# Altium PCB Graviton-EC2-Simplified.PcbDoc (part 4 of 9) (continued)
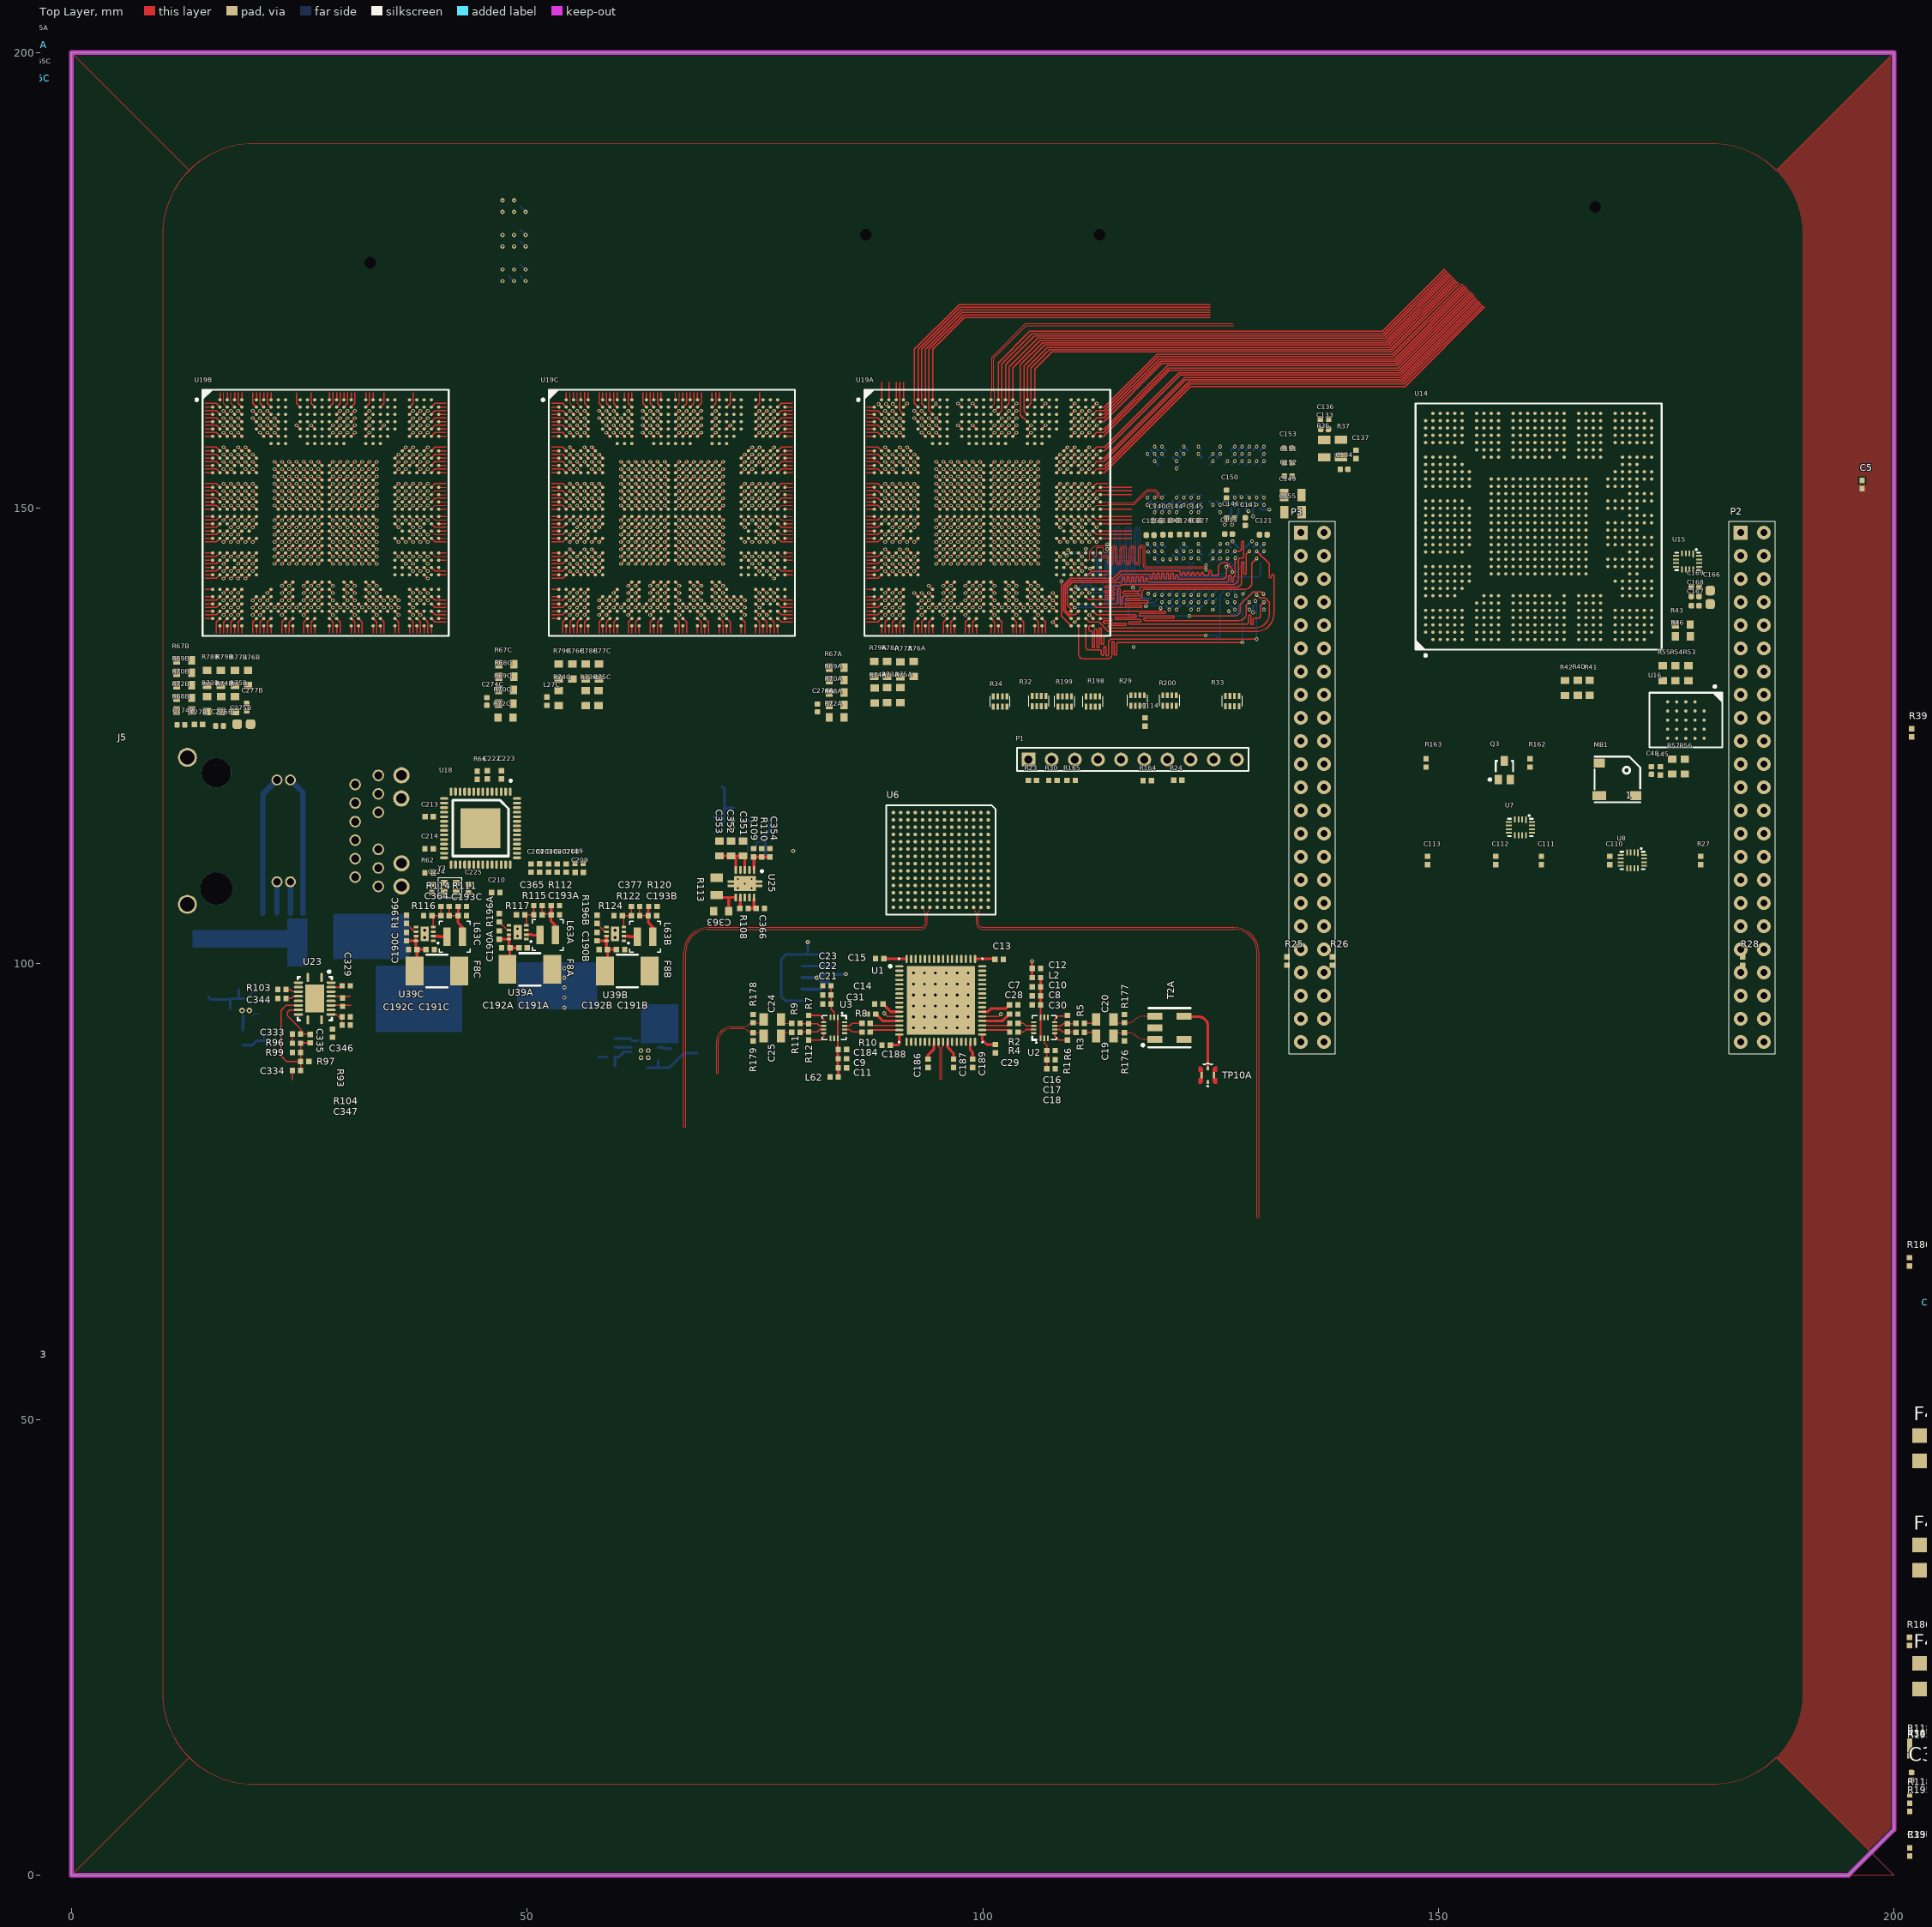
[diagram p0: Top Layer view]
## Nets (pads, with @x,y where several pads share a name; then routed paths per layer and width w, separated by ;. In a path a pad name is that pad's centre, name@x,y a point inside that pad or via, vN(x,y) a via of type N, cw(c..) or ccw(c..) an arc to the next point about the centre after c; other vN are vias at no path point) (continued)
  Top Layer w0.076: U19C.U32@78.3,149.1 79.115,149.1
DAC-LVDS.DAC-FRAME_P: U6.H2 U19C.T32 | length 0.8
  Top Layer w0.076: U19C.T32@78.3,149.9 79.115,149.9
DAC-LVDS.DAC-OSTR_N: U6.B9 U19C.AB31 | length 1.8
  Top Layer w0.076: U19C.AB31@77.5,145.1 77.9,144.7 79.115,144.7
DAC-LVDS.DAC-OSTR_P: U6.A9 U19C.AC30 | length 0.6
  Top Layer w0.076: U19C.AC30@76.7,144.3 v1(77.1,143.9)
DAC-LVDS.DAC-PARITY_N: U6.P5 U19C.AE30 | length 0.6
  Top Layer w0.076: U19C.AE30@76.7,142.7 v1(77.1,142.3)
DAC-LVDS.DAC-PARITY_P: U6.N5 U19C.AD30 | length 0.6
  Top Layer w0.076: U19C.AD30@76.7,143.5 v1(77.1,143.1)
DAC-LVDS.DAC-SYNC_N: U6.B5 U19C.Y32 | length 0.8
  Top Layer w0.076: U19C.Y32@78.3,146.7 79.115,146.7
DAC-LVDS.DAC-SYNC_P: U6.A5 U19C.W31 | length 1.8
  Top Layer w0.076: U19C.W31@77.5,147.5 77.9,147.1 79.115,147.1
DACCLK_N: U6.A11
DACCLK_P: U6.A12
DDR-A0: R33.1 U9.N3 U10.N3 U19A.AM28 | length 31.4
  Top Layer w0.12: v1(108.624,141.986) 108.624,138.176 U19A.AM28@109.7,137.1
  Bottom Layer w0.12: v1(108.624,141.986) 108.839,141.986 cw(c108.839,141.859) 108.966,141.859 108.966,140.818 ccw(c109.093,140.818) 109.093,140.691 ccw(c109.093,140.818) 109.22,140.818 109.22,141.656 cw(c109.55,141.656) 109.55,141.986 110.49,141.986 111.347,142.843 112.1,142.843 ccw(c112.1,143.011) 112.268,143.011 112.268,144.399 cw(c112.652,144.399) 112.652,144.783 114.354,144.783
  Bottom Layer w0.121: 114.354,144.783 116.332,144.783 cw(c116.332,144.402) 116.713,144.402 116.713,143.129 ccw(c117.094,143.129) 117.094,142.748 126.467,142.748 127.813,144.094 U9.N3@128.06,144.094
  other v2: 128.46,155.162
DDR-A1: R33.2 U9.P7 U10.P7 U19A.AM29 | length 43.9
  Top Layer w0.12: U19A.AM29@110.5,137.1 110.5,134.061 ccw(c111.084,134.061) 111.084,133.477 113.741,133.477 ccw(c113.741,133.909) 114.173,133.909 114.173,135.25 cw(c114.3,135.25) 114.3,135.377 cw(c114.3,135.25) 114.427,135.25 114.427,134.01 ccw(c114.554,134.01) 114.554,133.883 ccw(c114.554,134.01) 114.681,134.01 114.681,135.001 cw(c114.935,135.001) 114.935,135.255 128.473,135.255 v2(128.499,135.28)
  Signal Layer 1 w0.121: v2(128.563,140.603) 128.563,142.457 cw(c128.727,142.457) 128.727,142.621 129.083,142.621 ccw(c129.083,142.748) 129.21,142.748 ccw(c129.083,142.748) 129.083,142.875 128.725,142.875 cw(c128.725,143.037) 128.563,143.037 128.563,149.984 128.854,150.275 128.854,150.774 v2(129.261,151.181)
  Bottom Layer w0.121: v2(128.499,135.28) 128.495,135.284 128.495,140.529 U9.P7@128.861,140.894 ; U10.P7@128.861,151.562 v2@129.242,151.181
DDR-A2: R33.3 U9.P3 U10.P3 U19A.AL28 | length 31.4
  Top Layer w0.12: U19A.AL28@109.7,137.9 108.846,138.754 108.846,141.535 109.614,142.302 114.337,142.302 115.164,143.129 121.539,143.129 cw(c121.539,143.002) 121.666,143.002 121.666,142.75 ccw(c121.795,142.75) 121.795,142.621 ccw(c121.795,142.748) 121.922,142.748 121.922,142.875 ; 122.301,142.621 ccw(c122.301,142.748) 122.303,142.621 ; v2(127.381,143.002) 127.381,143.425 126.788,144.018 126.39,144.018 ccw(c126.39,143.485) 125.857,143.485 125.857,142.748 cw(c125.73,142.748) 125.73,142.621 125.222,142.621 cw(c125.222,142.748) 125.095,142.748 125.095,143.065 ccw(c124.968,143.065) 124.968,143.192 ccw(c124.968,143.065) 124.841,143.065 124.841,142.748 cw(c124.714,142.748) 124.714,142.621 124.335,142.621 cw(c124.335,142.75) 124.206,142.75 124.206,142.85 ccw(c124.079,142.85) 124.079,142.977 ccw(c124.079,142.85) 123.952,142.85 123.952,142.748 cw(c123.825,142.748) 123.826,142.621 cw(c123.827,142.75) 123.698,142.75 123.698,142.85 ccw(c123.571,142.85) 123.571,142.977 ccw(c123.571,142.85) 123.444,142.85 123.444,142.748 cw(c123.317,142.748) 123.318,142.621 cw(c123.319,142.75) 123.19,142.75 123.19,142.85 ccw(c123.063,142.85) 123.063,142.977 ccw(c123.063,142.85) 122.936,142.85 122.936,142.748 cw(c122.809,142.748) 122.81,142.621 cw(c122.811,142.75) 122.682,142.75 122.682,142.875 ccw(c122.555,142.875) 122.555,143.002 ccw(c122.555,142.875) 122.428,142.875 122.428,142.748 cw(c122.301,142.748) 122.303,142.621 ; 121.922,142.875 cw(c122.049,142.875) 122.049,143.002 ; 121.922,142.875 cw(c122.049,142.875) 122.049,143.002 ; 122.049,143.002 cw(c122.049,142.875) 122.176,142.875 ; 122.049,143.002 cw(c122.049,142.875) 122.176,142.875 ; 122.176,142.75 ccw(c122.304,142.75) 122.303,142.621 ; 122.176,142.75 ccw(c122.304,142.75) 122.303,142.621 ; 122.176,142.75 122.176,142.875 ; 122.303,142.621 ccw(c122.304,142.75) 122.304,142.621 cw(c122.304,142.75) 122.303,142.621
  Bottom Layer w0.121: v2(127.381,143.002) 127.768,143.002 U9.P3@128.861,144.094
  other v2: 129.261,155.162
DDR-A3: R33.4 U9.N2 U10.N2 U19A.AK28 | length 31.4
  Top Layer w0.12: U19A.AK28@109.7,138.7 109.7,138.941 109.289,139.351 109.289,141.351 109.797,141.859 115.086,141.859 ccw(c115.086,142.088) 115.314,142.088 115.314,142.342 cw(c115.441,142.342) 115.441,142.469 cw(c115.441,142.342) 115.568,142.342 115.568,142.013 ccw(c115.697,142.013) 115.697,141.884 ccw(c115.697,142.01) 115.822,142.01 115.822,142.367 cw(c115.949,142.367) 115.949,142.494 cw(c115.949,142.367) 116.076,142.367 116.076,142.013 ccw(c116.205,142.013) 116.205,141.884 ccw(c116.205,142.011) 116.332,142.011 116.332,142.342 cw(c116.459,142.342) 116.459,142.469 cw(c116.459,142.342) 116.586,142.342 116.586,142.038 ; 116.711,141.91 ccw(c116.711,142.037) 116.713,141.91 ; v2(127.706,144.526) 127.706,142.565 127.508,142.367 127.508,142.016 cw(c127.381,142.016) 127.381,141.889 cw(c127.381,142.016) 127.254,142.016 127.254,142.545 ccw(c127.127,142.545) 127.127,142.672 ccw(c127.127,142.545) 127,142.545 127,142.088 cw(c126.822,142.088) 126.822,141.91 118.237,141.91 cw(c118.237,142.038) 118.108,142.038 118.108,142.24 ccw(c117.981,142.24) 117.981,142.367 ccw(c117.981,142.24) 117.854,142.24 117.854,142.037 cw(c117.727,142.037) 117.728,141.91 cw(c117.729,142.038) 117.6,142.038 117.6,142.367 ccw(c117.473,142.367) 117.473,142.494 ccw(c117.473,142.367) 117.346,142.367 117.346,142.037 cw(c117.219,142.037) 117.22,141.91 cw(c117.221,142.038) 117.092,142.038 117.092,142.367 ccw(c116.965,142.367) 116.965,142.494 ccw(c116.965,142.367) 116.838,142.367 116.838,142.037 cw(c116.711,142.037) 116.713,141.91 ; 116.586,142.038 ccw(c116.715,142.038) 116.713,141.91 ; 116.586,142.038 ccw(c116.715,142.038) 116.713,141.91 ; 116.713,141.91 ccw(c116.715,142.038) 116.715,141.91 cw(c116.715,142.038) 116.713,141.91
  Bottom Layer w0.121: v2(127.706,144.526) 127.706,144.539 U9.N2@128.06,144.894
  other v2: 128.46,155.962
DDR-A4: R34.1 U9.P8 U10.P8 U19A.AK32 | length 44.1
  Top Layer w0.12: U19A.AK32@112.9,138.7 119.935,138.7 cw(c119.935,138.573) 120.062,138.573 cw(c119.935,138.573) 119.935,138.446 117.319,138.446 ccw(c117.319,138.319) 117.192,138.319 ccw(c117.319,138.319) 117.319,138.192 120.875,138.192 cw(c120.875,138.065) 121.002,138.065 cw(c120.875,138.065) 120.875,137.938 117.802,137.938 ccw(c117.802,137.811) 117.675,137.811 ccw(c117.802,137.811) 117.802,137.684 128.159,137.684 ccw(c128.159,138.446) 128.921,138.446
  Top Layer w0.121: 128.921,138.446 128.921,139.354 v2(129.261,139.694)
  Signal Layer 1 w0.121: v2(129.261,139.694) 129.261,142.121 129.54,142.4 129.54,142.894 cw(c129.76,142.894) 129.76,143.114 130.363,143.114 ccw(c130.363,143.231) 130.48,143.231 130.48,143.234 ccw(c130.349,143.234) 130.349,143.365 129.019,143.365 cw(c129.019,143.565) 128.819,143.565 128.819,149.839 129.261,150.28 129.261,150.362
DDR-A5: R34.2 U9.P2 U10.P2 U19A.AJ32 | length 30.8
  Top Layer w0.12: U19A.AJ32@112.9,139.5 114.608,139.5 ccw(c114.608,139.7) 114.808,139.7 114.808,141.097 cw(c114.935,141.097) 114.935,141.224 cw(c114.935,141.097) 115.062,141.097 115.062,139.573 ccw(c115.189,139.573) 115.189,139.446 ccw(c115.189,139.573) 115.316,139.573 115.316,140.132 cw(c115.57,140.132) 115.57,140.386 117.094,140.386 ccw(c117.094,140.513) 117.221,140.513 ccw(c117.094,140.513) 117.094,140.64 115.494,140.64 cw(c115.494,140.767) 115.367,140.767 cw(c115.494,140.767) 115.494,140.894 117.094,140.894 ccw(c117.094,141.021) 117.221,141.021 117.221,141.224 cw(c117.351,141.224) 117.351,141.354 127.866,141.354 ccw(c127.866,141.884) 128.397,141.884 128.397,144.018 cw(c128.524,144.018) 128.524,144.145 cw(c128.524,144.018) 128.651,144.018 128.651,142.875 ccw(c128.778,142.875) 128.778,142.748 ccw(c128.778,142.875) 128.905,142.875 128.905,144.939 v2(129.261,145.294)
  other v2: 129.261,155.962
DDR-A6: R34.3 U9.R8 U10.R8 U19A.AM30 | length 43.3
  Top Layer w0.12: U19A.AM30@111.3,137.1 111.3,135.646 111.3,134.75 ccw(c111.582,134.75) 111.582,134.468 112.852,134.468 cw(c112.852,134.29) 113.03,134.29 113.03,133.985 ccw(c113.157,133.985) 113.157,133.858 ccw(c113.157,133.985) 113.284,133.985 113.284,134.696 cw(c113.411,134.696) 113.411,134.823 cw(c113.411,134.696) 113.538,134.696 113.538,133.934 ccw(c113.665,133.934) 113.665,133.807 ccw(c113.665,133.934) 113.792,133.934 113.792,135.256 cw(c114.18,135.256) 114.18,135.645 v2(130.061,135.636)
  Signal Layer 1 w0.121: v2(129.927,139.827) 129.667,140.087 129.667,141.224 131.318,142.875 131.318,146.812 ccw(c131.064,146.812) 131.064,147.066 129.54,147.066 cw(c129.54,147.193) 129.413,147.193 cw(c129.54,147.193) 129.54,147.32 129.769,147.32 ccw(c129.769,147.599) 130.048,147.599 v2(130.048,150.393)
  Bottom Layer w0.121: U10.R8@129.673,150.749 v2@130.054,150.368 ; v2(130.061,135.636) v2@130.061,139.694
DDR-A7: R34.4 U9.R2 U10.R2 U19A.AL30 | length 30.8
  Top Layer w0.12: U19A.AL30@111.3,137.9 111.7,137.5 112.766,137.5 113.782,136.484 130.007,136.484 ccw(c130.007,138.43) 131.953,138.43
  Top Layer w0.121: v2(130.061,145.294) 131.445,143.91 131.445,142.494 ccw(c131.572,142.494) 131.572,142.367 ccw(c131.572,142.494) 131.699,142.494 131.699,142.602 cw(c131.845,142.602) 131.845,142.748 cw(c131.845,142.64) 131.953,142.64 131.953,138.43
DDR-A8: R198.1 U9.T8 U10.T8 U19A.AK31 | length 44.1
  Top Layer w0.12: U19A.AK31@112.1,138.7 112.5,138.3 116.738,138.3 cw(c116.738,138.173) 116.865,138.173 cw(c116.738,138.173) 116.738,138.046 114.63,138.046 ccw(c114.63,137.919) 114.503,137.919 ccw(c114.63,137.919) 114.63,137.792 117.246,137.792 cw(c117.246,137.665) 117.373,137.665 cw(c117.246,137.665) 117.246,137.538 116.154,137.538 ccw(c116.154,137.411) 116.027,137.411 ccw(c116.154,137.411) 116.154,137.284 127.127,137.284
  Top Layer w0.121: 127.127,137.284 129.032,137.284 ccw(c129.032,137.411) 129.159,137.411 129.159,138.176 cw(c129.286,138.176) 129.286,138.303 cw(c129.286,138.176) 129.413,138.176 129.413,137.35 ccw(c129.54,137.35) 129.54,137.224 ccw(c129.54,137.35) 129.667,137.35 129.667,137.795 cw(c129.794,137.795) 129.794,137.922 130.226,137.922 ccw(c130.226,138.151) 130.454,138.151 130.454,139.287 v2(130.861,139.694)
  Signal Layer 1 w0.121: v2(130.861,139.694) 130.429,140.125 130.429,141.286 131.813,142.67 131.813,148.463 ccw(c131.432,148.463) 131.432,148.844 130.988,148.844 cw(c130.988,148.971) 130.861,148.971 cw(c130.988,148.971) 130.988,149.098 131.432,149.098 ccw(c131.432,149.225) 131.559,149.225 131.559,149.231 ccw(c131.439,149.231) 131.439,149.352 131.14,149.352 cw(c131.14,149.631) 130.861,149.631 130.861,150.362
DDR-A9: R198.2 U9.R3 U10.R3 U19A.AJ31 | length 30.8
  Top Layer w0.12: U19A.AJ31@112.1,139.5 112.5,139.1 117.348,139.1 ccw(c117.348,139.227) 117.475,139.227 ccw(c117.348,139.227) 117.348,139.354 115.748,139.354 cw(c115.748,139.481) 115.621,139.481 cw(c115.748,139.481) 115.748,139.608 118.008,139.608 ccw(c118.008,139.735) 118.135,139.735 ccw(c118.008,139.735) 118.008,139.862 115.824,139.862 cw(c115.824,139.989) 115.697,139.989 cw(c115.824,139.989) 115.824,140.116 117.256,140.116 ccw(c117.256,140.335) 117.475,140.335 117.475,140.843 cw(c117.729,140.843) 117.729,141.097 128.753,141.097 ccw(c128.753,141.884) 129.54,141.884 129.54,143.974 v2(130.061,144.494)
  other v2: 130.061,155.162
DDR-A10: R198.3 U9.L7 U10.L7 U19A.AM31 | length 31.4
  Top Layer w0.12: U19A.AM31@112.1,137.1 111.76,137.1 ccw(c111.76,136.973) 111.633,136.973 111.633,136.652 ccw(c111.76,136.652) 111.76,136.525 111.88,136.525 cw(c111.88,136.398) 112.007,136.398 112.007,134.84 ccw(c112.134,134.84) 112.134,134.713 ccw(c112.134,134.84) 112.261,134.84 112.261,136.652 cw(c112.388,136.652) 112.388,136.779 cw(c112.388,136.652) 112.515,136.652 112.515,134.84 ccw(c112.642,134.84) 112.642,134.713 ccw(c112.642,134.84) 112.769,134.84 112.769,136.758 cw(c112.896,136.758) 112.896,136.885 cw(c112.896,136.758) 113.023,136.758 113.023,135.189 ; 113.023,135.179 113.023,135.189 ; v7(124.46,136.042) 113.487,136.042 ccw(c113.487,135.832) 113.277,135.832 113.277,135.189 cw(c113.15,135.189) 113.15,135.062 cw(c113.15,135.189) 113.023,135.189
  Bottom Layer w0.12: v7(124.46,136.042) 125.603,136.042 cw(c125.603,135.915) 125.73,135.915 125.73,135.702 ; 125.73,135.712 ccw(c125.882,135.712) 125.882,135.56 ccw(c125.882,135.702) 126.025,135.702 126.025,140.458 U9.L7@126.46,140.894
DDR-A11: R198.4 U9.R7 U10.R7 U19A.AL32 | length 44.4
  Top Layer w0.12: U19A.AL32@112.9,137.9 114.071,137.9 cw(c114.071,137.773) 114.198,137.773 cw(c114.071,137.773) 114.071,137.646 113.359,137.646 ccw(c113.359,137.519) 113.232,137.519 ccw(c113.359,137.519) 113.359,137.392 115.603,137.392 cw(c115.603,137.265) 115.73,137.265 cw(c115.603,137.265) 115.603,137.138 113.876,137.138 ccw(c113.876,137.011) 113.749,137.011 ccw(c113.876,137.011) 113.876,136.884 129.912,136.884 ccw(c129.912,138.43) 131.458,138.43 131.458,139.7 131.003,140.154 130.4,140.154 v2(130.061,140.494)
  Signal Layer 1 w0.121: v2(130.061,140.494) 130.061,141.267 131.566,142.772 131.566,147.193 ccw(c131.185,147.193) 131.185,147.574 130.562,147.574 cw(c130.562,147.701) 130.435,147.701 cw(c130.562,147.701) 130.562,147.828 131.439,147.828 ccw(c131.439,147.955) 131.566,147.955 131.566,147.961 ccw(c131.445,147.961) 131.445,148.082 130.556,148.082 cw(c130.556,148.209) 130.429,148.209 cw(c130.556,148.209) 130.556,148.336 130.962,148.336 ccw(c130.962,148.463) 131.089,148.463 ccw(c130.962,148.463) 130.962,148.59 130.683,148.59 cw(c130.683,148.819) 130.454,148.819 130.454,150.768 130.061,151.162
DDR-A12: R199.1 U9.N7 U10.N7 U19A.AG28 | length 31.9
  Top Layer w0.127: U19A.AG28@109.7,141.1 v1(110.1,140.7)
  Bottom Layer w0.12: v1(110.1,140.7) 110.497,141.097 112.395,141.097 ccw(c112.395,141.224) 112.522,141.224 ccw(c112.395,141.224) 112.395,141.351 111.989,141.351 cw(c111.989,141.58) 111.76,141.58 111.76,142.113 cw(c112.014,142.113) 112.014,142.367 113.132,142.367 ccw(c113.132,142.646) 113.411,142.646 113.411,144.145 cw(c113.538,144.145) 113.538,144.272 cw(c113.538,144.145) 113.665,144.145 113.665,142.875 ccw(c113.792,142.875) 113.792,142.748 ccw(c113.792,142.875) 113.919,142.875 113.919,144.145 cw(c114.046,144.145) 114.046,144.272 cw(c114.046,144.145) 114.173,144.145 114.173,142.875 ccw(c114.3,142.875) 114.3,142.748 ccw(c114.3,142.875) 114.354,142.76 ccw(c114.3,142.875) 114.427,142.875 114.427,144.018 cw(c114.681,144.018) 114.681,144.272 116.065,144.272 cw(c116.065,144.145) 116.192,144.145 116.192,142.482 ccw(c116.459,142.482) 116.459,142.215 127.326,142.215 cw(c127.326,141.48) 128.06,141.48 U9.N7@128.06,140.894 ; U10.N7@128.06,151.562 v2(128.397,151.225)
DDR-A13: R199.2 U9.T3 U10.T3 U19A.AG29 | length 31.4
  Top Layer w0.127: v1(110.211,141.389) U19A.AG29@110.5,141.1
  Bottom Layer w0.12: v1(110.211,141.389) 110.732,141.389 ccw(c110.732,141.529) 110.871,141.529 110.871,141.859 cw(c110.998,141.859) 110.998,141.986 cw(c110.998,141.859) 111.125,141.859 111.125,141.503 ccw(c111.252,141.503) 111.252,141.376 111.366,141.376 ccw(c111.366,141.503) 111.493,141.503 111.493,142.404 cw(c111.709,142.404) 111.709,142.621 112.395,142.621 ccw(c112.395,142.748) 112.522,142.748 112.522,144.399 cw(c112.649,144.399) 112.649,144.526 cw(c112.649,144.399) 112.776,144.399 112.776,142.748 ccw(c112.903,142.748) 112.903,142.621 ccw(c112.903,142.748) 113.03,142.748 113.03,144.221 cw(c113.335,144.221) 113.335,144.526 116.205,144.526 cw(c116.205,144.272) 116.459,144.272 116.459,142.723 ccw(c116.713,142.723) 116.713,142.469 130.187,142.469 ccw(c130.187,142.743) 130.461,142.743 U9.T3@130.461,144.094
  other v2: 130.861,155.162
DDR-A14: R199.3 U9.T7 U10.T7 U19A.AJ28 | length 41.4
  Top Layer w0.121: v2(122.682,138.176) 127.635,138.176 ccw(c127.635,138.811) 128.27,138.811 128.27,139.446 129.657,140.833 130.566,140.833 v2(130.81,140.589)
  Top Layer w0.127: U19A.AJ28@109.7,139.5 v2(110.1,139.1)
  Signal Layer 1 w0.121: v2(130.81,140.589) 130.81,141.316 132.061,142.567 132.061,150.368 ccw(c131.826,150.368) 131.826,150.603 131.426,150.603 cw(c131.426,150.73) 131.299,150.73 cw(c131.426,150.73) 131.426,150.857 131.826,150.857 ccw(c131.826,150.984) 131.953,150.984 131.953,151.035 ccw(c131.826,151.035) 131.826,151.162 130.861,151.162
  Bottom Layer w0.121: U9.T7@130.461,140.894 130.493,140.894 130.81,140.576 v2(130.81,140.589)
  Bottom Layer w0.127: v2(110.1,139.1) 115.011,139.1 ccw(c115.011,139.282) 115.193,139.282 115.193,140.208 ; 115.193,140.212 cw(c115.316,140.212) 115.316,140.335 cw(c115.316,140.208) 115.443,140.208 115.443,139.573 ccw(c115.57,139.573) 115.57,139.446 ccw(c115.57,139.573) 115.697,139.573 115.697,140.208 cw(c115.824,140.208) 115.824,140.335 cw(c115.824,140.208) 115.951,140.208 115.951,138.405 ccw(c116.18,138.405) 116.18,138.176 v2(122.682,138.176)
DDR-A15: R199.4 U9.M7 U10.M7 U19A.AH28 | length 43.9
  Top Layer w0.127: U19A.AH28@109.7,140.3 v1(110.1,139.9)
  Signal Layer 1 w0.121: v2@126.895,140.541 126.746,140.691 126.746,141.859 128.048,143.161 128.048,150.775 v2(127.664,151.159)
  Bottom Layer w0.12: v1(110.1,139.9) 110.554,139.446 113.157,139.446 ccw(c113.157,139.7) 113.411,139.7 113.411,140.475 cw(c113.538,140.475) 113.538,140.602 cw(c113.538,140.475) 113.665,140.475 113.665,139.573 ccw(c113.792,139.573) 113.792,139.446 ccw(c113.792,139.573) 113.919,139.573 113.919,141.58 cw(c114.046,141.58) 114.046,141.707 cw(c114.046,141.58) 114.173,141.58 114.173,139.573 ccw(c114.3,139.573) 114.3,139.446 ccw(c114.3,139.573) 114.354,139.458 ccw(c114.3,139.573) 114.427,139.573 114.427,141.58 cw(c114.554,141.58) 114.554,141.707 cw(c114.554,141.58) 114.681,141.58 114.681,139.573 ccw(c114.808,139.573) 114.808,139.446 ccw(c114.808,139.573) 114.935,139.573 114.935,141.58 cw(c115.062,141.58) 115.062,141.707 126.972,141.707 cw(c126.972,141.418) 127.26,141.418 U9.M7@127.26,140.894 ; U10.M7@127.26,151.562 v2(127.664,151.159)
  Bottom Layer w0.121: v2@126.905,140.538 U9.M7@127.26,140.894
  other v2: 126.898,140.538
DDR-BA0: R200.1 U9.M2 U10.M2 U19A.AH30 | length 30.8
  Top Layer w0.12: U19A.AH30@111.3,140.3 111.646,139.954 114.275,139.954 ccw(c114.275,140.081) 114.402,140.081 ccw(c114.275,140.081) 114.275,140.208 113.538,140.208 cw(c113.538,140.335) 113.411,140.335 cw(c113.538,140.335) 113.538,140.462 114.354,140.462 ccw(c114.354,140.589) 114.481,140.589 ccw(c114.354,140.589) 114.354,140.716 113.516,140.716 cw(c113.516,140.843) 113.389,140.843 cw(c113.516,140.843) 113.516,140.97 114.325,140.97 ccw(c114.325,141.097) 114.452,141.097 ccw(c114.325,141.097) 114.325,141.224 113.538,141.224 cw(c113.538,141.351) 113.411,141.351 cw(c113.516,141.351) 113.516,141.456 ; 113.538,141.456 114.354,141.456 115.072,141.456 115.237,141.621 127.442,141.621 ccw(c127.442,142.24) 128.06,142.24
  Top Layer w0.121: 127.66,145.294 128.092,145.294 ccw(c128.092,145.599) 128.397,145.599 128.397,146.253 cw(c128.524,146.253) 128.524,146.38 cw(c128.524,146.253) 128.651,146.253 128.651,144.653 cw(c128.524,144.653) 128.524,144.526 128.27,144.526 ccw(c128.27,144.316) 128.06,144.316 128.06,142.24
  other v2: 127.66,155.962
DDR-BA1: R200.2 U9.N8 U10.N8 U19A.AG30 | length 43.3
  Top Layer w0.127: U19A.AG30@111.3,141.1 v1(111.7,140.7)
  Signal Layer 1 w0.12: v2(127.762,140.392) 127.762,140.716 cw(c127.889,140.716) 127.889,140.843 128.143,140.843 ccw(c128.143,140.97) 128.27,140.97 ccw(c128.143,140.97) 128.143,141.097 127.572,141.097 cw(c127.572,141.224) 127.444,141.224 cw(c127.572,141.224) 127.572,141.351 128.143,141.351 ccw(c128.143,141.503) 128.295,141.503 128.295,150.197 128.46,150.362
  Bottom Layer w0.12: v1(111.7,140.7) 111.7,140.716 112.776,140.716 cw(c112.776,140.589) 112.903,140.589 112.903,140.208 ccw(c113.03,140.208) 113.03,140.081 ccw(c113.03,140.208) 113.157,140.208 113.157,141.859 cw(c113.411,141.859) 113.411,142.113 114.224,142.113 ccw(c114.224,142.57) 114.681,142.57 114.681,143.878 cw(c114.808,143.878) 114.808,144.005 cw(c114.808,143.878) 114.935,143.878 114.935,142.24 ccw(c115.062,142.24) 115.062,142.113 ccw(c115.062,142.24) 115.189,142.24 115.189,143.891 cw(c115.316,143.891) 115.316,144.018 cw(c115.316,143.891) 115.443,143.891 115.443,142.24 ccw(c115.57,142.24) 115.57,142.113 ccw(c115.57,142.24) 115.697,142.24 115.697,143.891 cw(c115.824,143.891) 115.824,144.018 cw(c115.824,143.897) 115.945,143.897 115.945,142.348 ccw(c116.332,142.348) 116.332,141.961 127.152,141.961 cw(c127.152,141.478) 127.635,141.478 127.635,140.519 v2(127.762,140.392) U9.N8@128.06,140.094
DDR-BA2: R200.3 U9.M3 U10.M3 U19A.AK29 | length 31.4
  Top Layer w0.12: U19A.AK29@110.5,138.7 110.128,138.328 109.585,138.328 109.068,138.846 109.068,141.443 109.705,142.081 114.623,142.081 115.291,142.748 118.237,142.748 cw(c118.237,142.621) 118.364,142.621 118.364,142.369 ccw(c118.493,142.369) 118.493,142.24 ccw(c118.493,142.367) 118.62,142.367 118.62,142.748 ; 118.999,142.24 ccw(c118.999,142.367) 119.001,142.24 ; 120.524,142.24 ccw(c120.523,142.367) 120.65,142.367 120.65,142.748 cw(c120.777,142.748) 120.777,142.875 cw(c120.777,142.748) 120.904,142.748 120.904,142.369 ccw(c121.033,142.369) 121.033,142.24 ; 120.525,142.24 cw(c120.525,142.369) 120.396,142.369 120.396,142.748 ccw(c120.269,142.748) 120.269,142.875 ccw(c120.269,142.748) 120.142,142.748 120.142,142.367 cw(c120.015,142.367) 120.016,142.24 cw(c120.017,142.369) 119.888,142.369 119.888,142.748 ccw(c119.761,142.748) 119.761,142.875 ccw(c119.761,142.748) 119.634,142.748 119.634,142.367 cw(c119.507,142.367) 119.508,142.24 cw(c119.509,142.369) 119.38,142.369 119.38,142.748 ccw(c119.253,142.748) 119.253,142.875 ccw(c119.253,142.748) 119.126,142.748 119.126,142.367 cw(c118.999,142.367) 119.001,142.24 ; 121.032,142.24 ccw(c121.031,142.367) 121.158,142.367 121.158,142.545 cw(c121.285,142.545) 121.285,142.672 cw(c121.285,142.545) 121.412,142.545 121.412,142.369 ccw(c121.541,142.369) 121.541,142.24 126.289,142.24 ccw(c126.289,142.697) 126.746,142.697 v2(126.746,143.58) ; 118.62,142.748 cw(c118.747,142.748) 118.747,142.875 ; 118.62,142.748 cw(c118.747,142.748) 118.747,142.875 ; 118.747,142.875 cw(c118.747,142.748) 118.874,142.748 ; 118.747,142.875 cw(c118.747,142.748) 118.874,142.748 ; 118.874,142.369 ccw(c119.002,142.369) 119.001,142.24 ; 118.874,142.369 ccw(c119.002,142.369) 119.001,142.24 ; 118.874,142.369 118.874,142.748 ; 119.001,142.24 ccw(c119.002,142.369) 119.002,142.24 cw(c119.002,142.369) 119.001,142.24
  Bottom Layer w0.121: v2(126.746,143.58) U9.M3@127.26,144.094
  other v2: 127.66,155.162
DDR-D0: U10.E3 U19A.P28 | length 0.6
  Top Layer w0.127: U19A.P28@109.7,151.5 v1(110.1,151.9)
  other v2: 121.26,154.362
DDR-D1: U10.F7 U19A.P29 | length 0.6
  Top Layer w0.127: U19A.P29@110.5,151.5 v1(110.9,151.9)
  other v2: 122.06,151.162
DDR-D2: U10.F2 U19A.R26 | length 0.6
  Top Layer w0.127: U19A.R26@108.1,150.7 v1(108.5,151.1)
DDR-D3: U10.F8 U19A.T26 | length 0.6
  Top Layer w0.127: U19A.T26@108.1,149.9 v1(108.5,150.3)
  other v2: 122.06,150.362
DDR-D4: U10.H3 U19A.R27 | length 0.6
  Top Layer w0.127: U19A.R27@108.9,150.7 v1(109.3,151.1)
DDR-D5: U10.H8 U19A.T27 | length 0.6
  Top Layer w0.127: U19A.T27@108.9,149.9 v1(109.3,150.3)
  other v2: 123.66,150.362
DDR-D6: U10.G2 U19A.U27 | length 0.6
  Top Layer w0.127: U19A.U27@108.9,149.1 v1(109.3,148.7)
DDR-D7: U10.H7 U19A.U26 | length 0.6
  Top Layer w0.127: U19A.U26@108.1,149.1 v1(108.5,148.7)
  other v2: 123.66,151.162
DDR-D8: U10.D7 U19A.P31 | length 4.4
  Top Layer w0.12: U19A.P31@112.1,151.5 112.5,151.9 116.332,151.9
DDR-D9: U10.C3 U19A.P30 | length 0.6
  Top Layer w0.127: U19A.P30@111.3,151.5 v1(111.7,151.9)
DDR-D10: U10.C8 U19A.R30 | length 0.6
  Top Layer w0.127: U19A.R30@111.3,150.7 v1(111.7,151.1)
  other v2: 119.659,150.362
DDR-D11: U10.C2 U19A.T30 | length 0.6
  Top Layer w0.127: U19A.T30@111.3,149.9 v1(111.7,150.3)
  other v2: 119.659,155.962
DDR-D12: U10.A7 U19A.N32 | length 3.4
  Top Layer w0.12: U19A.N32@112.9,152.3 116.332,152.3
  other v2: 118.059,151.162
DDR-D13: U10.A2 U19A.P32 | length 3.4
  Top Layer w0.12: U19A.P32@112.9,151.5 116.332,151.5
  other v2: 118.059,155.962
DDR-D14: U10.B8 U19A.U31 | length 4.4
  Top Layer w0.12: U19A.U31@112.1,149.1 112.5,148.7 116.332,148.7
  other v2: 118.859,150.362
DDR-D15: U10.A3 U19A.U30 | length 0.6
  Top Layer w0.127: U19A.U30@111.3,149.1 v1(111.7,148.7)
DDR-D16: U9.E3 U19A.Y26 | length 1.1
  Top Layer w0.127: U19A.Y26@108.1,146.7 v1(108.5,146.3)
  Bottom Layer w0.121: U9.E3@121.66,144.094 v2(122.047,144.482)
DDR-D17: U9.F7 U19A.Y27 | length 0.6
  Top Layer w0.127: U19A.Y27@108.9,146.7 v1(109.3,146.3)
  other v2: 122.06,140.494
DDR-D18: U9.F2 U19A.Y28 | length 1.1
  Top Layer w0.127: U19A.Y28@109.7,146.7 v1(110.1,146.3)
  Bottom Layer w0.121: U9.F2@122.46,144.894 v2(122.847,145.282)
DDR-D19: U9.F8 U19A.W28 | length 0.6
  Top Layer w0.127: U19A.W28@109.7,147.5 v1(110.1,147.1)
  other v2: 122.06,139.694
DDR-D20: U9.H3 U19A.Y29 | length 1.1
  Top Layer w0.127: U19A.Y29@110.5,146.7 v1(110.9,146.3)
  Bottom Layer w0.121: v2(123.673,144.482) U9.H3@124.06,144.094
DDR-D21: U9.H8 U19A.W29 | length 0.6
  Top Layer w0.127: U19A.W29@110.5,147.5 v1(110.9,147.1)
  other v2: 123.66,139.694
DDR-D22: U9.G2 U19A.AB26 | length 1.1
  Top Layer w0.127: U19A.AB26@108.1,145.1 v1(108.5,144.7)
  Bottom Layer w0.121: v2(122.872,144.507) U9.G2@123.26,144.894
DDR-D23: U9.H7 U19A.AC27 | length 0.6
  Top Layer w0.127: U19A.AC27@108.9,144.3 v1(109.3,143.9)
  other v2: 123.66,140.494
DDR-D24: U9.D7 U19A.AB30 | length 13.7
  Top Layer w0.127: U19A.AB30@111.3,145.1 111.252,145.148 111.303,145.199 v1(111.303,145.542)
  Signal Layer 1 w0.121: 111.633,144.653 112.268,144.653 113.36,143.561 113.36,142.364 115.669,140.056 120.021,140.056 v2(120.472,140.506)
  Signal Layer 1 w0.127: v1(111.303,145.542) 111.303,144.983 111.633,144.653
  Bottom Layer w0.121: v2(120.472,140.506) U9.D7@120.86,140.894
DDR-D25: U9.C3 U19A.AB29 | length 1
  Top Layer w0.127: U19A.AB29@110.5,145.1 v1(110.9,144.7)
  Bottom Layer w0.121: v2(119.755,144.399) U9.C3@120.059,144.094
DDR-D26: U9.C8 U19A.AC28 | length 12.9
  Top Layer w0.127: U19A.AC28@109.7,144.3 v1(110.1,143.9)
  Signal Layer 1 w0.121: 112.141,144.272 112.945,143.468 112.945,142.192 115.443,139.694 119.659,139.694
  Signal Layer 1 w0.127: v1(110.1,143.9) 110.472,144.272 112.141,144.272
DDR-D27: U9.C2 U19A.AD29 | length 0.6
  Top Layer w0.127: U19A.AD29@110.5,143.5 v1(110.9,143.1)
  other v2: 119.659,145.294
DDR-D28: U9.A7 U19A.W31 | length 11.8
  Top Layer w0.12: U19A.W31@112.1,147.5 112.5,147.1 116.332,147.1
  Signal Layer 1 w0.121: 113.919,144.526 113.919,142.596 115.9,140.614 v2(118.161,140.614)
  Bottom Layer w0.121: v2(118.161,140.614) 118.18,140.614 U9.A7@118.459,140.894
DDR-D29: U9.A2 U19A.Y32 | length 3.9
  Top Layer w0.12: U19A.Y32@112.9,146.7 116.332,146.7
  Bottom Layer w0.121: v2(118.135,145.218) U9.A2@118.459,144.894
DDR-D30: U9.B8 U19A.AD30 | length 11.9
  Top Layer w0.127: v1(110.871,143.891) 110.909,143.891 U19A.AD30@111.3,143.5
  Signal Layer 1 w0.121: 112.572,143.206 112.572,142.038 115.367,139.243 117.892,139.243
  Signal Layer 1 w0.127: v1(110.871,143.891) 111.887,143.891 112.572,143.206
  Bottom Layer w0.121: 117.892,139.243 118.308,139.659 118.824,139.659 U9.B8@119.259,140.094
DDR-D31: U9.A3 U19A.AE30 | length 2.7
  Top Layer w0.121: U19A.AE30@111.3,142.7 111.557,142.7 111.925,143.067 113.857,143.067
DDRCC2.S0C: U19C.P27 | length 0.6
  Top Layer w0.127: U19C.P27@74.3,151.5 v1(74.7,151.9)
DDRCC2.S1C: U19C.P26 | length 0.6
  Top Layer w0.127: U19C.P26@73.5,151.5 v1(73.9,151.9)
DDRCC2.S2C: U19C.N26 | length 0.6
  Top Layer w0.127: U19C.N26@73.5,152.3 v1(73.9,152.7)
DDRCC2.S3C: U19C.N27 | length 0.6
  Top Layer w0.127: U19C.N27@74.3,152.3 v1(74.7,152.7)
DDRCC2.S4C: U19C.L27 | length 0.6
  Top Layer w0.127: U19C.L27@74.3,153.9 v1(74.7,154.3)
DDRCC2.S5C: U19C.L26 | length 0.6
  Top Layer w0.127: U19C.L26@73.5,153.9 v1(73.9,154.3)
DDRCC2.S6C: U19C.N29 | length 0.6
  Top Layer w0.127: U19C.N29@75.9,152.3 v1(76.3,152.7)
DDRCC2.S7C: U19C.N30 | length 0.6
  Top Layer w0.127: U19C.N30@76.7,152.3 v1(77.1,152.7)
DDRCC2.S8C: U19C.L29 | length 0.6
  Top Layer w0.127: U19C.L29@75.9,153.9 v1(76.3,154.3)
DDRCC2.S9C: U19C.K28 | length 0.6
  Top Layer w0.127: U19C.K28@75.1,154.7 v1(75.5,155.1)